# Altium PCB ADAPTONE_PCB_COPY.PcbDoc (part 1 of 11)
Units mil, origin at the board's own origin, x right, y up, seen from the top; angles counter-clockwise.
Board outline 10236.22 x 6701.71 mil, 4 copper layers (Top Layer, GND, Internal Plane 2, Bottom Layer), stack 30.2 mil thick; 1794 components, 935 nets, 4745 pads, 575 vias.
Unrouted connection lines stored in the file: 997.
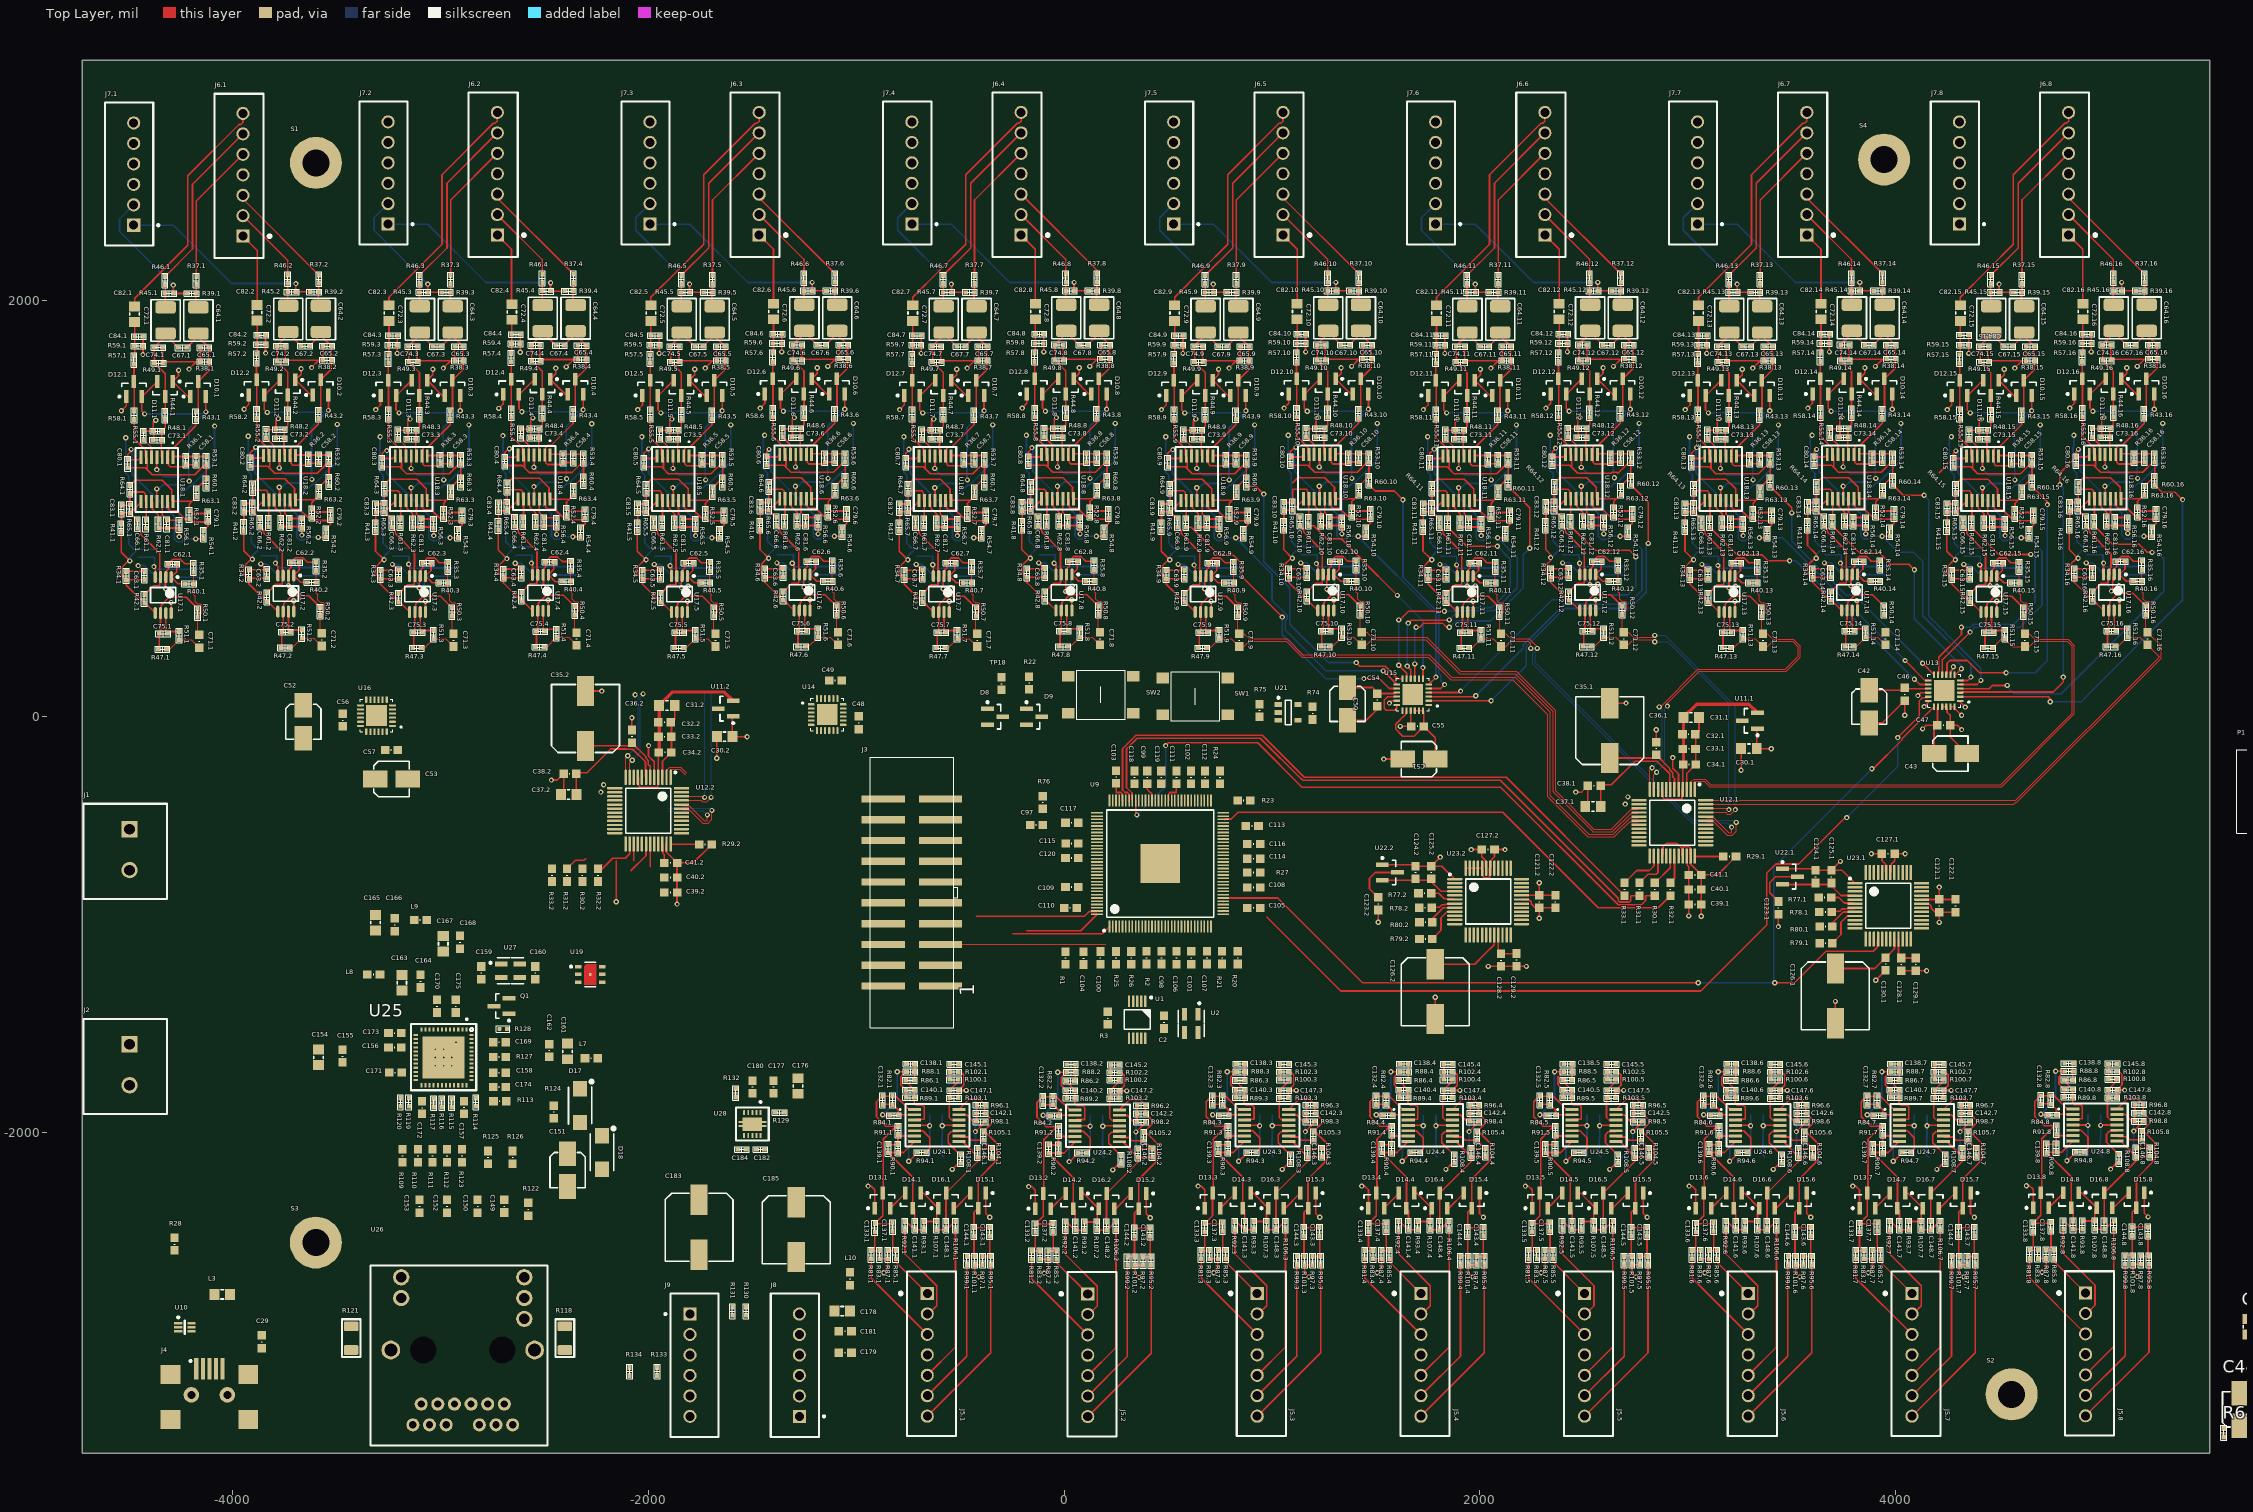
[diagram p0: Top Layer view]
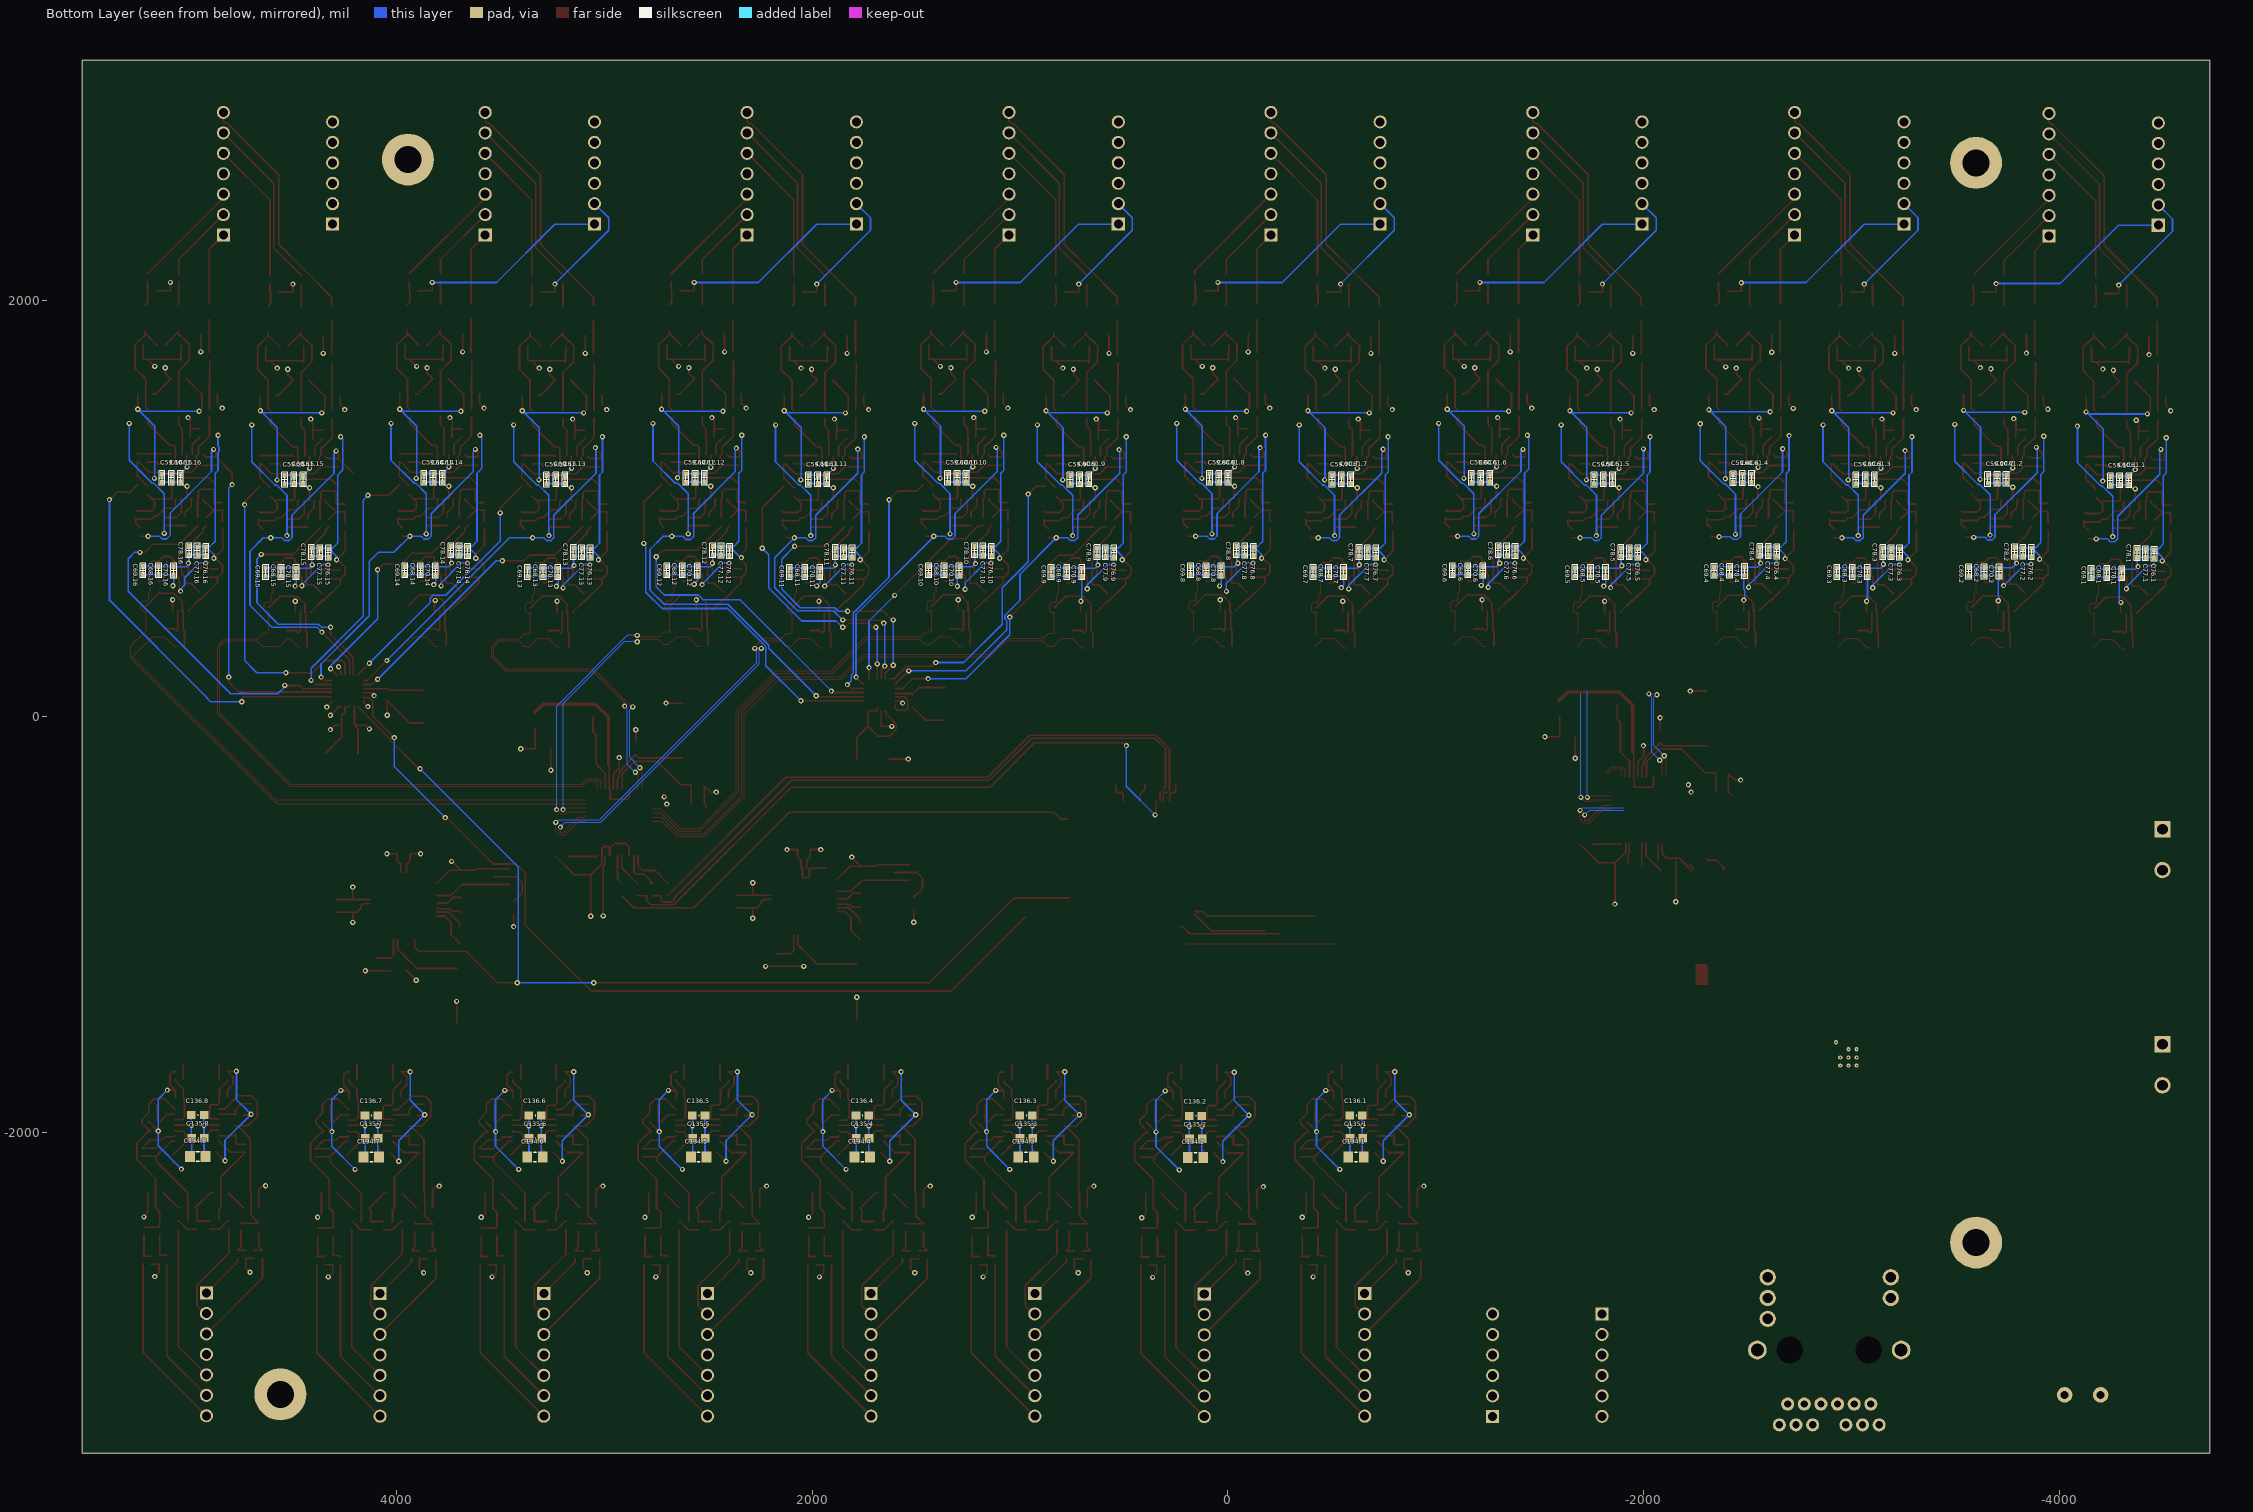
[diagram p1: Bottom Layer view, seen from below]
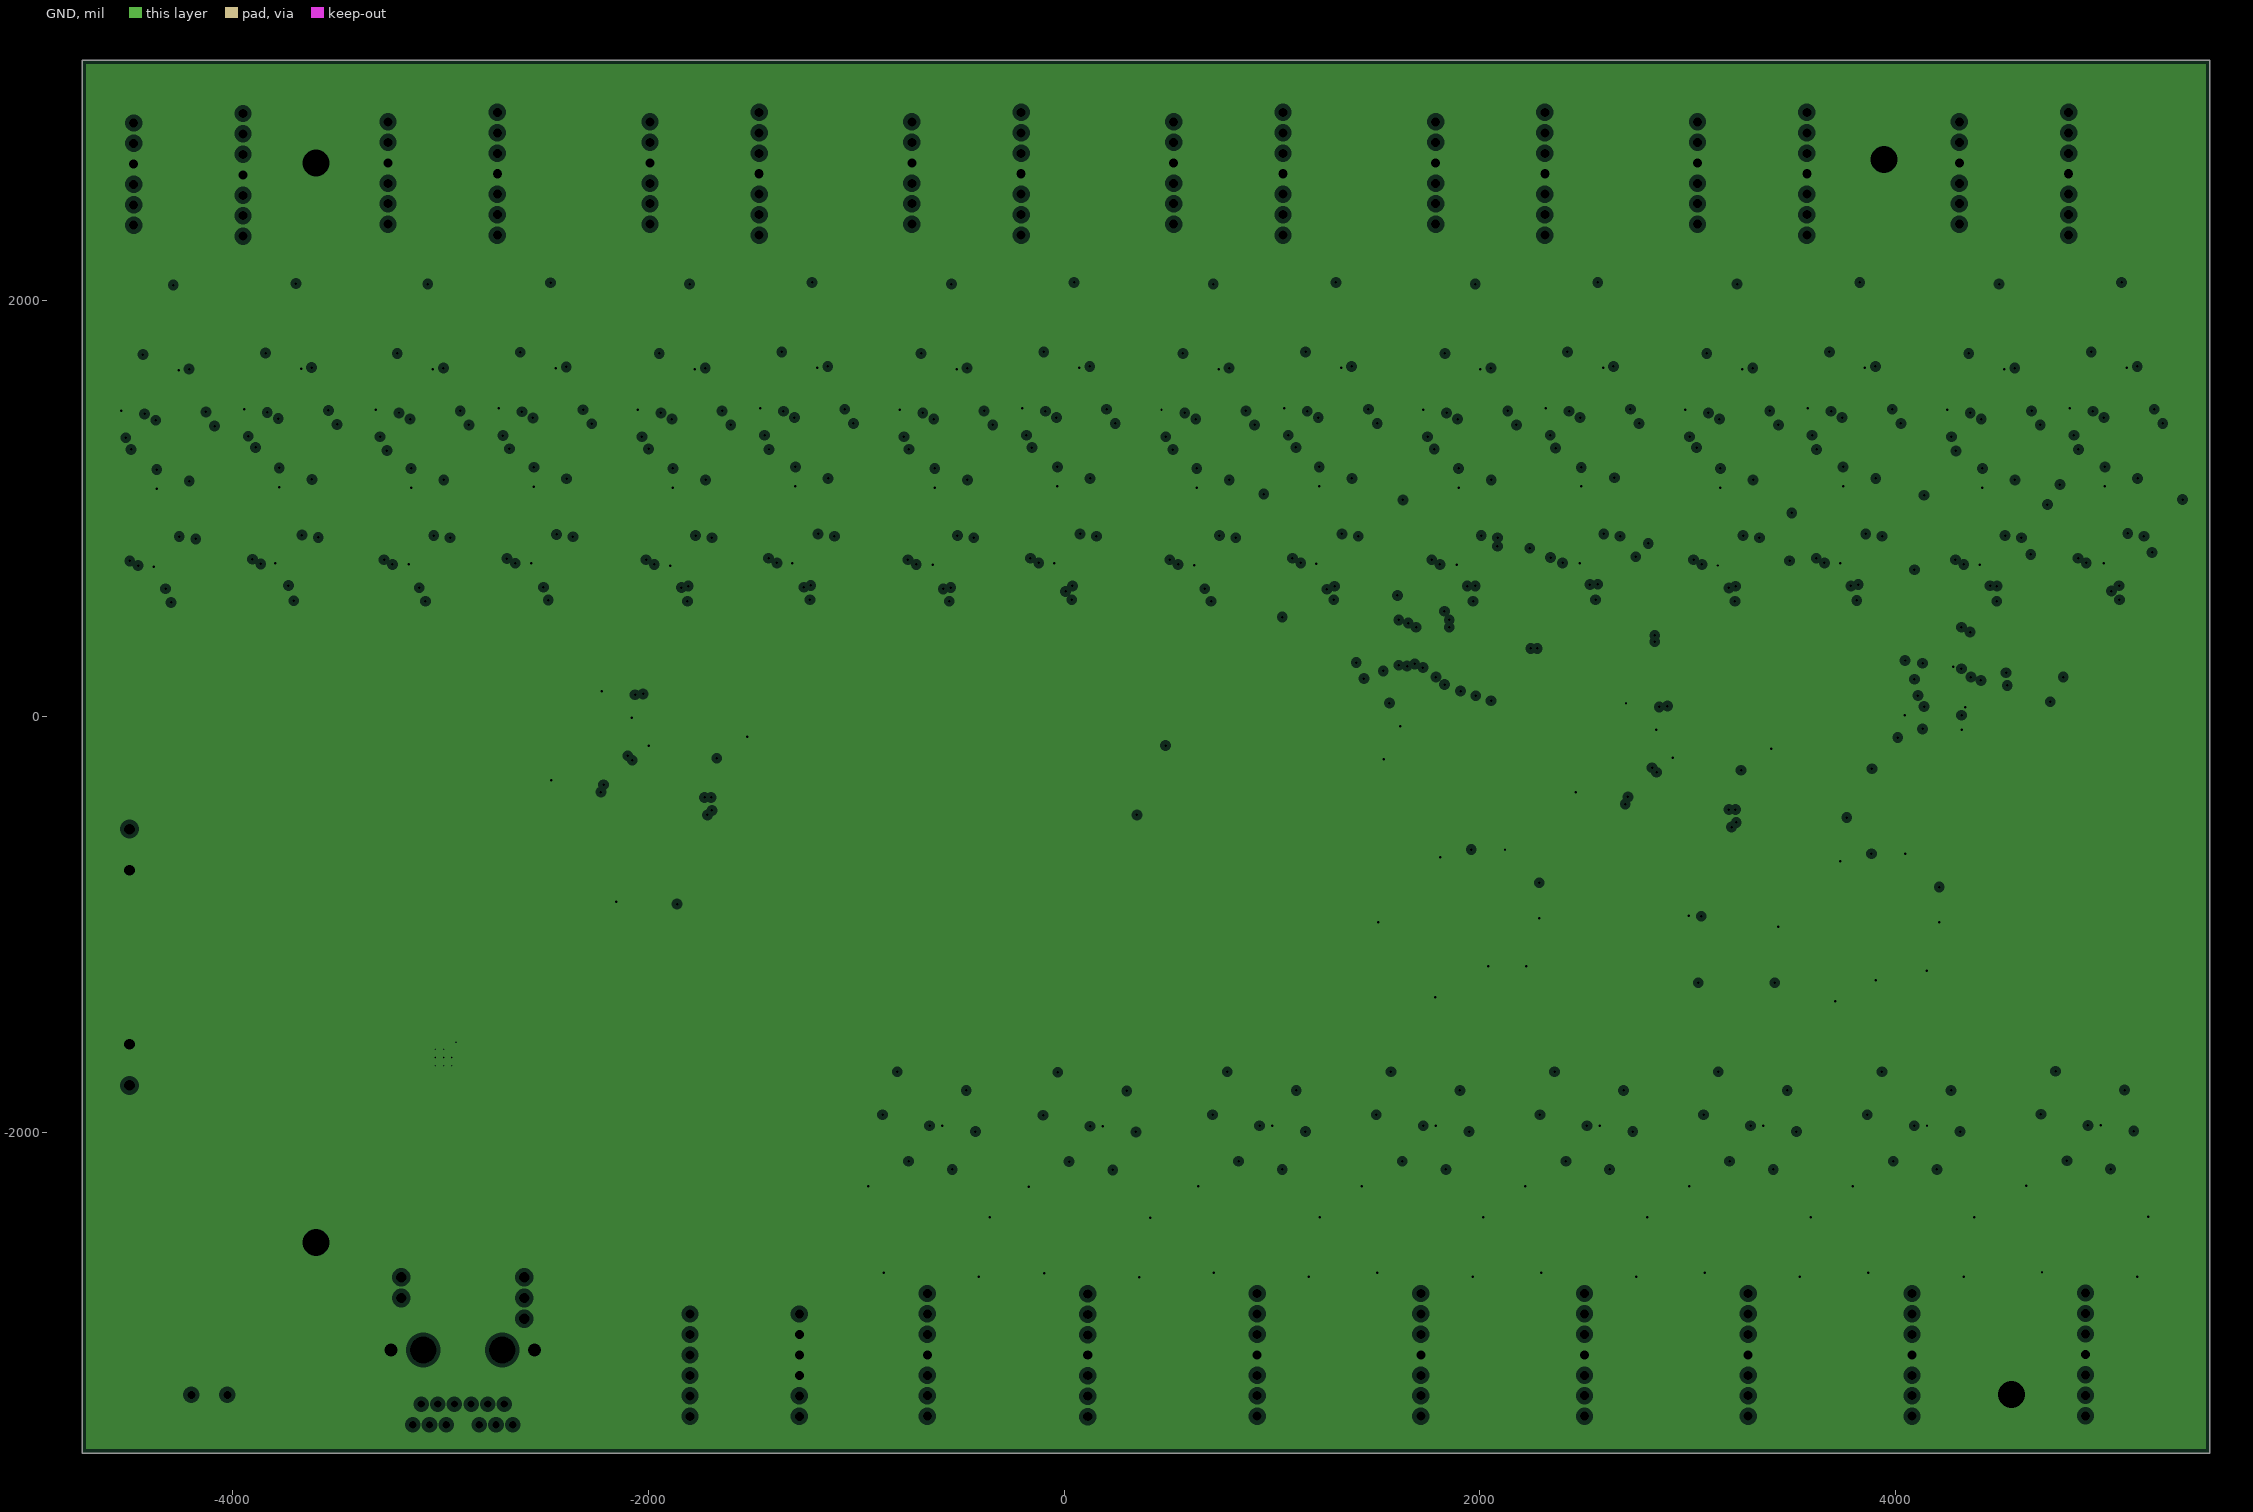
[diagram p2: GND, clearances drawn from the general rule]
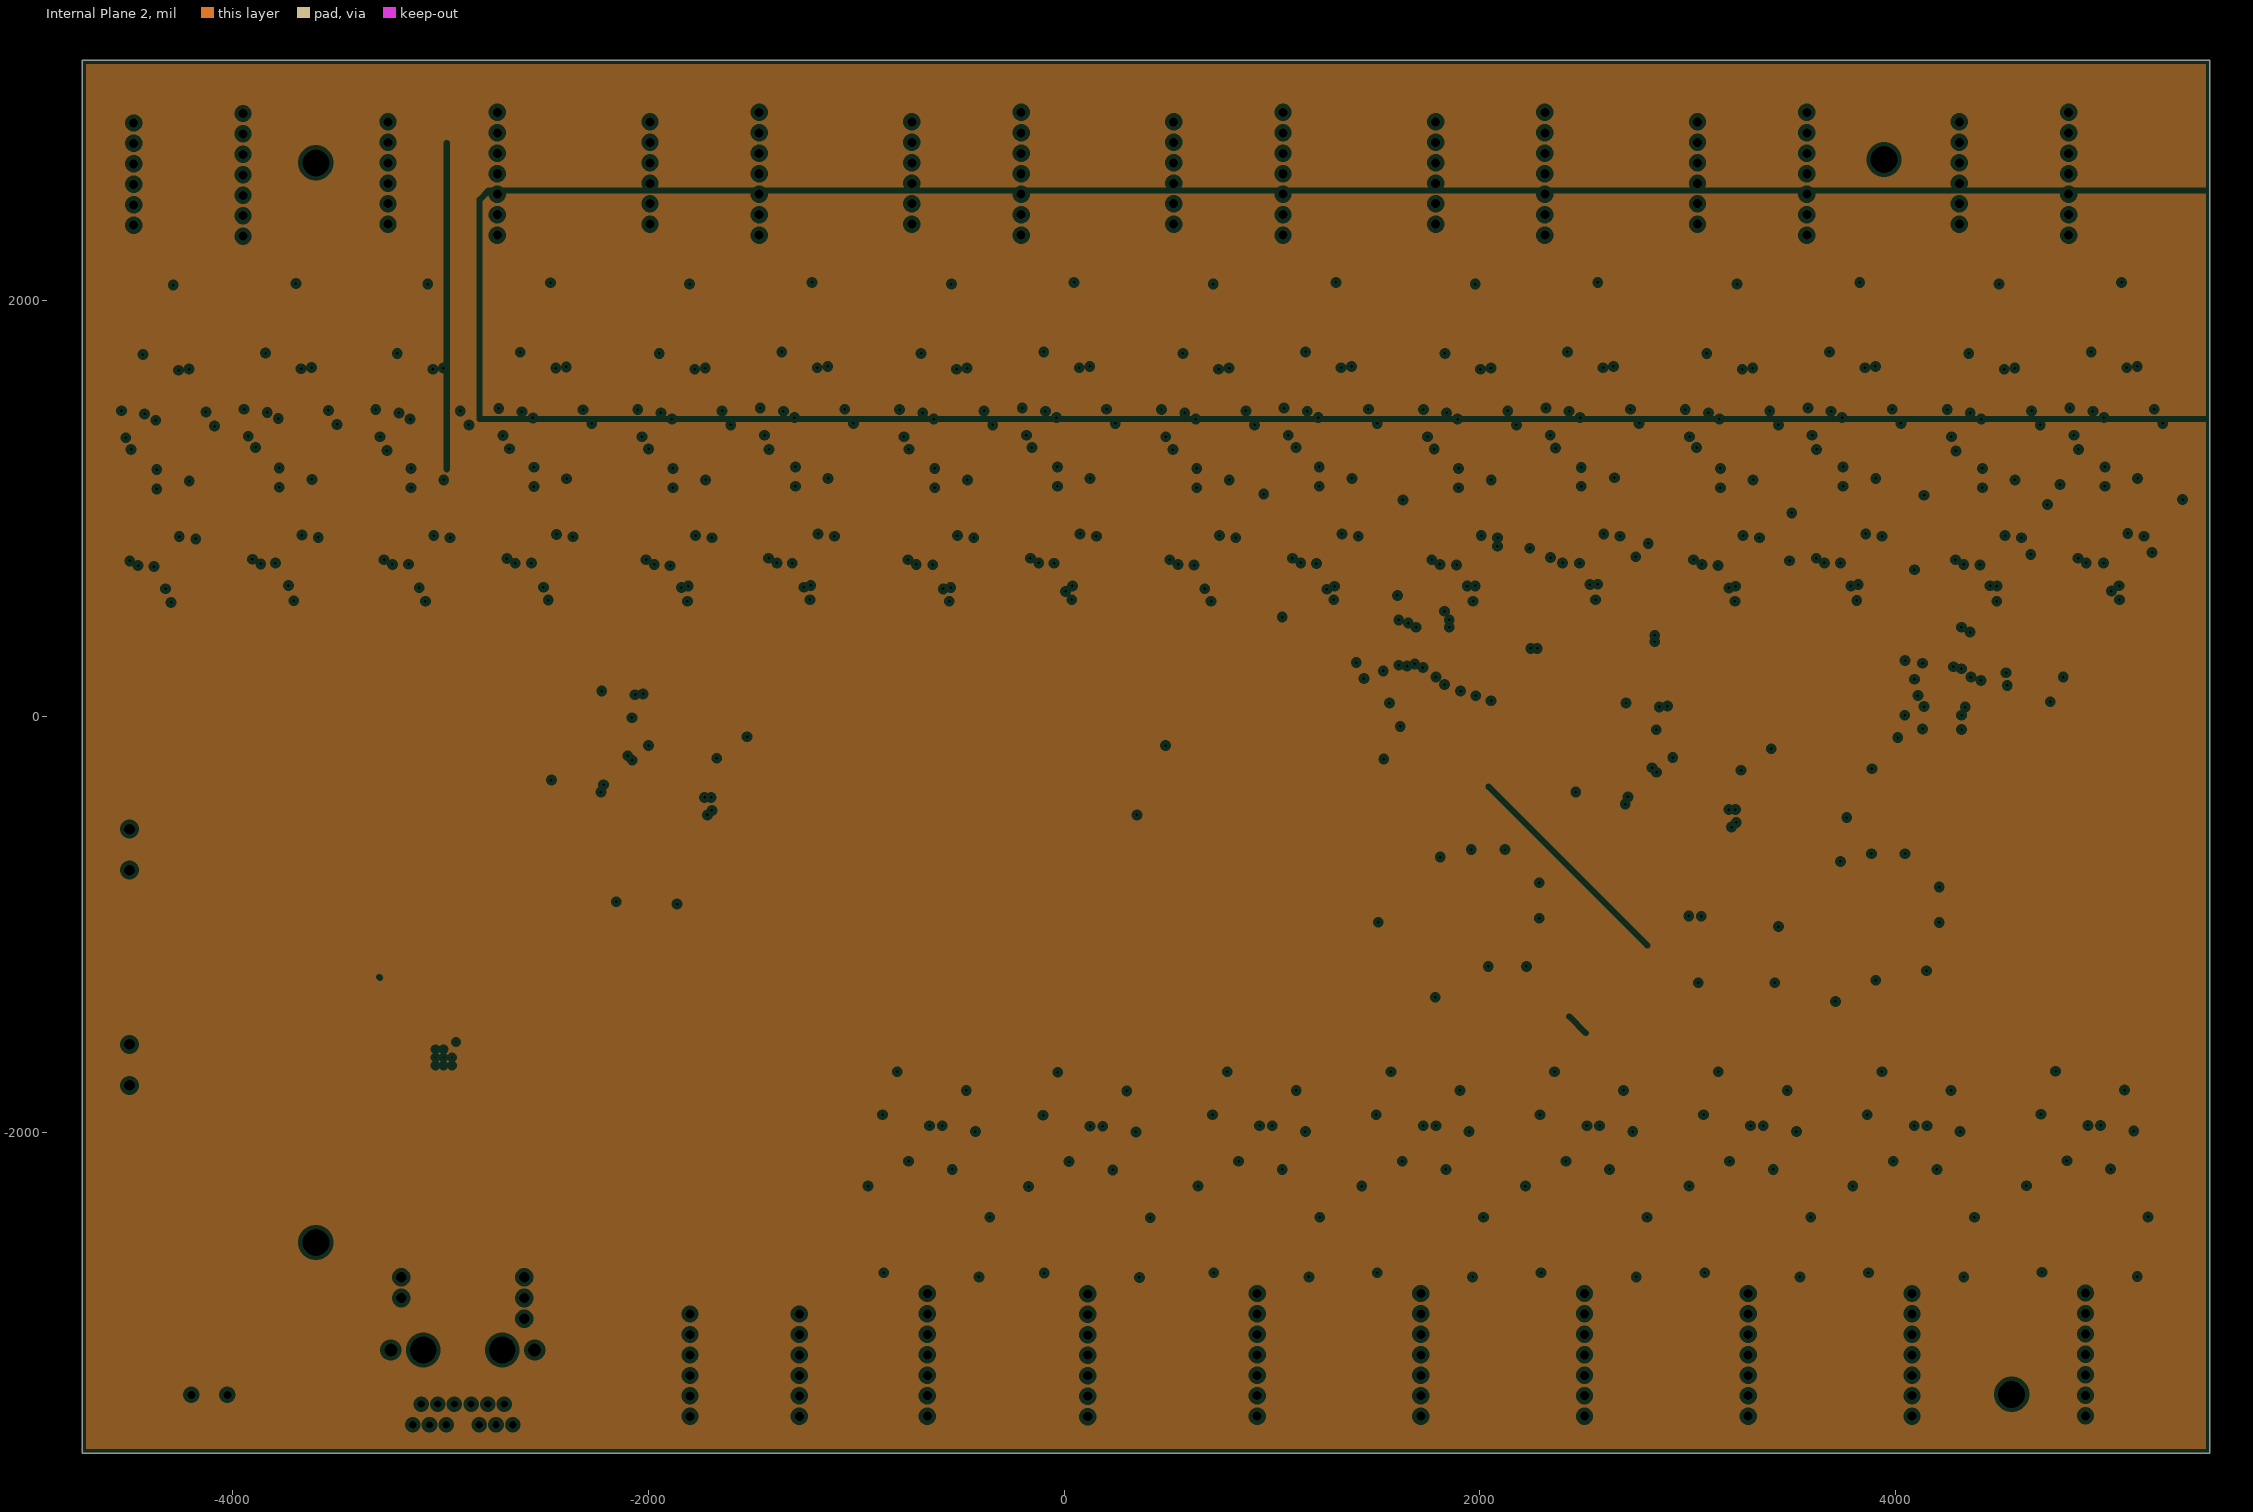
[diagram p3: Internal Plane 2, clearances drawn from the general rule]

## Layer stack, top to bottom
Top Solder: solder mask 0.4, Solder Resist, Dk 3.5
Top Layer: signal copper 1.4
Dielectric 2: core 7, Dk 4.2
GND: plane copper 1.4, net GND
Dielectric 3: prepreg 3.4, Dk 4.2
Internal Plane 2: plane copper 1.4
Dielectric 1: dielectric 14.2, FR-4, Dk 4.8
Bottom Layer: signal copper 1.4
Bottom Solder: solder mask 0.4, Solder Resist, Dk 3.5

## Board outline
-4724.41,3158.4 533.04,3158.4 5511.81,3158.4 5511.81,386.75 5511.81,-3543.31 393.7,-3543.31 -4724.41,-3543.31 -4724.41,386.75

## Design rules (kind name [scope] priority, off if disabled: settings)
Clearance [All] p1: gap=6
DiffPairsRouting [All] p1: maxlimit=15 minlimit=5 mostfreqgap=6 toplayer_mingap=6 toplayer_minwidth=6 toplayer_maxwidth=10 toplayer_prefwidth=6 bottomlayer_minwidth=6 bottomlayer_maxwidth=10 bottomlayer_prefwidth=6 maxuncoupledlength=500
PlaneClearance [All] p1: clearance=20
PlaneConnect [All] p1: planeconnectstyle=Relief reliefexpansion=20 reliefentries=4 reliefconductorwidth=10 reliefairgap=10
PolygonConnect [All] p1: connectstyle=Relief reliefconductorwidth=10 reliefentries=4 polygonreliefangle="90 Angle" airgapwidth=10
RoomDefinition DAC2 [InComponentClass('DAC2')] p1: confinementstyle=ConfineIn formatcopy=TRUE lockcomponents=FALSE outline -17970.9,-7880.97 -15970.9,-7880.97 -15970.9,-6880.97 -17970.9,-6880.97
RoomDefinition DAC1 [InComponentClass('DAC1')] p2: confinementstyle=ConfineIn formatcopy=TRUE lockcomponents=FALSE outline -17970.9,-7880.97 -15970.9,-7880.97 -15970.9,-6880.97 -17970.9,-6880.97
RoomDefinition ADC2 [InComponentClass('ADC2')] p3: confinementstyle=ConfineIn formatcopy=TRUE lockcomponents=FALSE outline -17970.9,-7880.97 -15970.9,-7880.97 -15970.9,-6880.97 -17970.9,-6880.97
RoomDefinition ADC1 [InComponentClass('ADC1')] p4: confinementstyle=ConfineIn formatcopy=TRUE lockcomponents=FALSE outline -17970.9,-7880.97 -15970.9,-7880.97 -15970.9,-6880.97 -17970.9,-6880.97
RoomDefinition U_OutputConnectors2 [InComponentClass('U_OutputConnectors2')] p5: confinementstyle=ConfineIn formatcopy=TRUE lockcomponents=FALSE outline -17970.9,-7880.97 -15970.9,-7880.97 -15970.9,-6880.97 -17970.9,-6880.97
RoomDefinition U_OutputConnectors8 [InComponentClass('U_OutputConnectors8')] p6: confinementstyle=ConfineIn formatcopy=TRUE lockcomponents=FALSE outline -17970.9,-7880.97 -15970.9,-7880.97 -15970.9,-6880.97 -17970.9,-6880.97
RoomDefinition U_OutputConnectors7 [InComponentClass('U_OutputConnectors7')] p7: confinementstyle=ConfineIn formatcopy=TRUE lockcomponents=FALSE outline -17970.9,-7880.97 -15970.9,-7880.97 -15970.9,-6880.97 -17970.9,-6880.97
RoomDefinition U_OutputConnectors6 [InComponentClass('U_OutputConnectors6')] p8: confinementstyle=ConfineIn formatcopy=TRUE lockcomponents=FALSE outline -17970.9,-7880.97 -15970.9,-7880.97 -15970.9,-6880.97 -17970.9,-6880.97
RoomDefinition U_OutputConnectors5 [InComponentClass('U_OutputConnectors5')] p9: confinementstyle=ConfineIn formatcopy=TRUE lockcomponents=FALSE outline -17970.9,-7880.97 -15970.9,-7880.97 -15970.9,-6880.97 -17970.9,-6880.97
RoomDefinition U_OutputConnectors4 [InComponentClass('U_OutputConnectors4')] p10: confinementstyle=ConfineIn formatcopy=TRUE lockcomponents=FALSE outline -17970.9,-7880.97 -15970.9,-7880.97 -15970.9,-6880.97 -17970.9,-6880.97
RoomDefinition U_OutputConnectors3 [InComponentClass('U_OutputConnectors3')] p11: confinementstyle=ConfineIn formatcopy=TRUE lockcomponents=FALSE outline -17970.9,-7880.97 -15970.9,-7880.97 -15970.9,-6880.97 -17970.9,-6880.97
RoomDefinition U_OutputConnectors1 [InComponentClass('U_OutputConnectors1')] p12: confinementstyle=ConfineIn formatcopy=TRUE lockcomponents=FALSE outline -17970.9,-7880.97 -15970.9,-7880.97 -15970.9,-6880.97 -17970.9,-6880.97
RoomDefinition XMOS_power [InComponentClass('XMOS_power')] p13: confinementstyle=ConfineIn formatcopy=TRUE lockcomponents=FALSE outline 6423.1,3373.03 19901.1,3373.03 19901.1,3867.03 6423.1,3867.03
RoomDefinition U_InputAmplifier16 [InComponentClass('U_InputAmplifier16')] p14: confinementstyle=ConfineIn formatcopy=TRUE lockcomponents=FALSE outline -17970.9,-7880.97 -15970.9,-7880.97 -15970.9,-6880.97 -17970.9,-6880.97
RoomDefinition U_InputAmplifier15 [InComponentClass('U_InputAmplifier15')] p15: confinementstyle=ConfineIn formatcopy=TRUE lockcomponents=FALSE outline -17970.9,-7880.97 -15970.9,-7880.97 -15970.9,-6880.97 -17970.9,-6880.97
RoomDefinition U_InputAmplifier14 [InComponentClass('U_InputAmplifier14')] p16: confinementstyle=ConfineIn formatcopy=TRUE lockcomponents=FALSE outline -17970.9,-7880.97 -15970.9,-7880.97 -15970.9,-6880.97 -17970.9,-6880.97
RoomDefinition U_InputAmplifier13 [InComponentClass('U_InputAmplifier13')] p17: confinementstyle=ConfineIn formatcopy=TRUE lockcomponents=FALSE outline -17970.9,-7880.97 -15970.9,-7880.97 -15970.9,-6880.97 -17970.9,-6880.97
RoomDefinition U_InputAmplifier12 [InComponentClass('U_InputAmplifier12')] p18: confinementstyle=ConfineIn formatcopy=TRUE lockcomponents=FALSE outline -17970.9,-7880.97 -15970.9,-7880.97 -15970.9,-6880.97 -17970.9,-6880.97
RoomDefinition U_InputAmplifier11 [InComponentClass('U_InputAmplifier11')] p19: confinementstyle=ConfineIn formatcopy=TRUE lockcomponents=FALSE outline -17970.9,-7880.97 -15970.9,-7880.97 -15970.9,-6880.97 -17970.9,-6880.97
RoomDefinition U_InputAmplifier10 [InComponentClass('U_InputAmplifier10')] p20: confinementstyle=ConfineIn formatcopy=TRUE lockcomponents=FALSE outline -17970.9,-7880.97 -15970.9,-7880.97 -15970.9,-6880.97 -17970.9,-6880.97
RoomDefinition U_InputAmplifier9 [InComponentClass('U_InputAmplifier9')] p21: confinementstyle=ConfineIn formatcopy=TRUE lockcomponents=FALSE outline -17970.9,-7880.97 -15970.9,-7880.97 -15970.9,-6880.97 -17970.9,-6880.97
RoomDefinition U_InputAmplifier8 [InComponentClass('U_InputAmplifier8')] p22: confinementstyle=ConfineIn formatcopy=TRUE lockcomponents=FALSE outline -17970.9,-7880.97 -15970.9,-7880.97 -15970.9,-6880.97 -17970.9,-6880.97
RoomDefinition U_InputAmplifier7 [InComponentClass('U_InputAmplifier7')] p23: confinementstyle=ConfineIn formatcopy=TRUE lockcomponents=FALSE outline -17970.9,-7880.97 -15970.9,-7880.97 -15970.9,-6880.97 -17970.9,-6880.97
RoomDefinition U_InputAmplifier6 [InComponentClass('U_InputAmplifier6')] p24: confinementstyle=ConfineIn formatcopy=TRUE lockcomponents=FALSE outline -17970.9,-7880.97 -15970.9,-7880.97 -15970.9,-6880.97 -17970.9,-6880.97
RoomDefinition U_InputAmplifier5 [InComponentClass('U_InputAmplifier5')] p25: confinementstyle=ConfineIn formatcopy=TRUE lockcomponents=FALSE outline -17970.9,-7880.97 -15970.9,-7880.97 -15970.9,-6880.97 -17970.9,-6880.97
RoomDefinition U_InputAmplifier4 [InComponentClass('U_InputAmplifier4')] p26: confinementstyle=ConfineIn formatcopy=TRUE lockcomponents=FALSE outline -17970.9,-7880.97 -15970.9,-7880.97 -15970.9,-6880.97 -17970.9,-6880.97
RoomDefinition U_InputAmplifier3 [InComponentClass('U_InputAmplifier3')] p27: confinementstyle=ConfineIn formatcopy=TRUE lockcomponents=FALSE outline -17970.9,-7880.97 -15970.9,-7880.97 -15970.9,-6880.97 -17970.9,-6880.97
RoomDefinition TopLevel [InComponentClass('TopLevel')] p28: confinementstyle=ConfineIn formatcopy=TRUE lockcomponents=FALSE outline 6423.1,637.03 13356.1,637.03 13356.1,999.03 6423.1,999.03
RoomDefinition LEDs_I2C_PORT [InComponentClass('LEDs_I2C_PORT')] p29: confinementstyle=ConfineIn formatcopy=TRUE lockcomponents=FALSE outline 6423.1,-1759.97 10030.1,-1759.97 10030.1,-1469.97 6423.1,-1469.97
RoomDefinition U_InputAmplifier2 [InComponentClass('U_InputAmplifier2')] p30: confinementstyle=ConfineIn formatcopy=TRUE lockcomponents=FALSE outline -17970.9,-7880.97 -15970.9,-7880.97 -15970.9,-6880.97 -17970.9,-6880.97
RoomDefinition U_InputAmplifier1 [InComponentClass('U_InputAmplifier1')] p31: confinementstyle=ConfineIn formatcopy=TRUE lockcomponents=FALSE outline -17970.9,-7880.97 -15970.9,-7880.97 -15970.9,-6880.97 -17970.9,-6880.97
RoomDefinition U_InputsConnectors8 [InComponentClass('U_InputsConnectors8')] p32: confinementstyle=ConfineIn formatcopy=TRUE lockcomponents=FALSE outline -17970.9,-7880.97 -15970.9,-7880.97 -15970.9,-6880.97 -17970.9,-6880.97
RoomDefinition U_InputsConnectors7 [InComponentClass('U_InputsConnectors7')] p33: confinementstyle=ConfineIn formatcopy=TRUE lockcomponents=FALSE outline -17970.9,-7880.97 -15970.9,-7880.97 -15970.9,-6880.97 -17970.9,-6880.97
RoomDefinition U_InputsConnectors6 [InComponentClass('U_InputsConnectors6')] p34: confinementstyle=ConfineIn formatcopy=TRUE lockcomponents=FALSE outline -17970.9,-7880.97 -15970.9,-7880.97 -15970.9,-6880.97 -17970.9,-6880.97
RoomDefinition U_InputsConnectors5 [InComponentClass('U_InputsConnectors5')] p35: confinementstyle=ConfineIn formatcopy=TRUE lockcomponents=FALSE outline -17970.9,-7880.97 -15970.9,-7880.97 -15970.9,-6880.97 -17970.9,-6880.97
RoomDefinition U_InputsConnectors4 [InComponentClass('U_InputsConnectors4')] p36: confinementstyle=ConfineIn formatcopy=TRUE lockcomponents=FALSE outline -17970.9,-7880.97 -15970.9,-7880.97 -15970.9,-6880.97 -17970.9,-6880.97
RoomDefinition U_InputsConnectors3 [InComponentClass('U_InputsConnectors3')] p37: confinementstyle=ConfineIn formatcopy=TRUE lockcomponents=FALSE outline -17970.9,-7880.97 -15970.9,-7880.97 -15970.9,-6880.97 -17970.9,-6880.97
RoomDefinition U_InputsConnectors2 [InComponentClass('U_InputsConnectors2')] p38: confinementstyle=ConfineIn formatcopy=TRUE lockcomponents=FALSE outline -17970.9,-7880.97 -15970.9,-7880.97 -15970.9,-6880.97 -17970.9,-6880.97
RoomDefinition U_InputsConnectors1 [InComponentClass('U_InputsConnectors1')] p39: confinementstyle=ConfineIn formatcopy=TRUE lockcomponents=FALSE outline -17970.9,-7880.97 -15970.9,-7880.97 -15970.9,-6880.97 -17970.9,-6880.97